# Altium PCB P-MT3620RDB-1-6.PcbDoc (part 3 of 4) (continued)
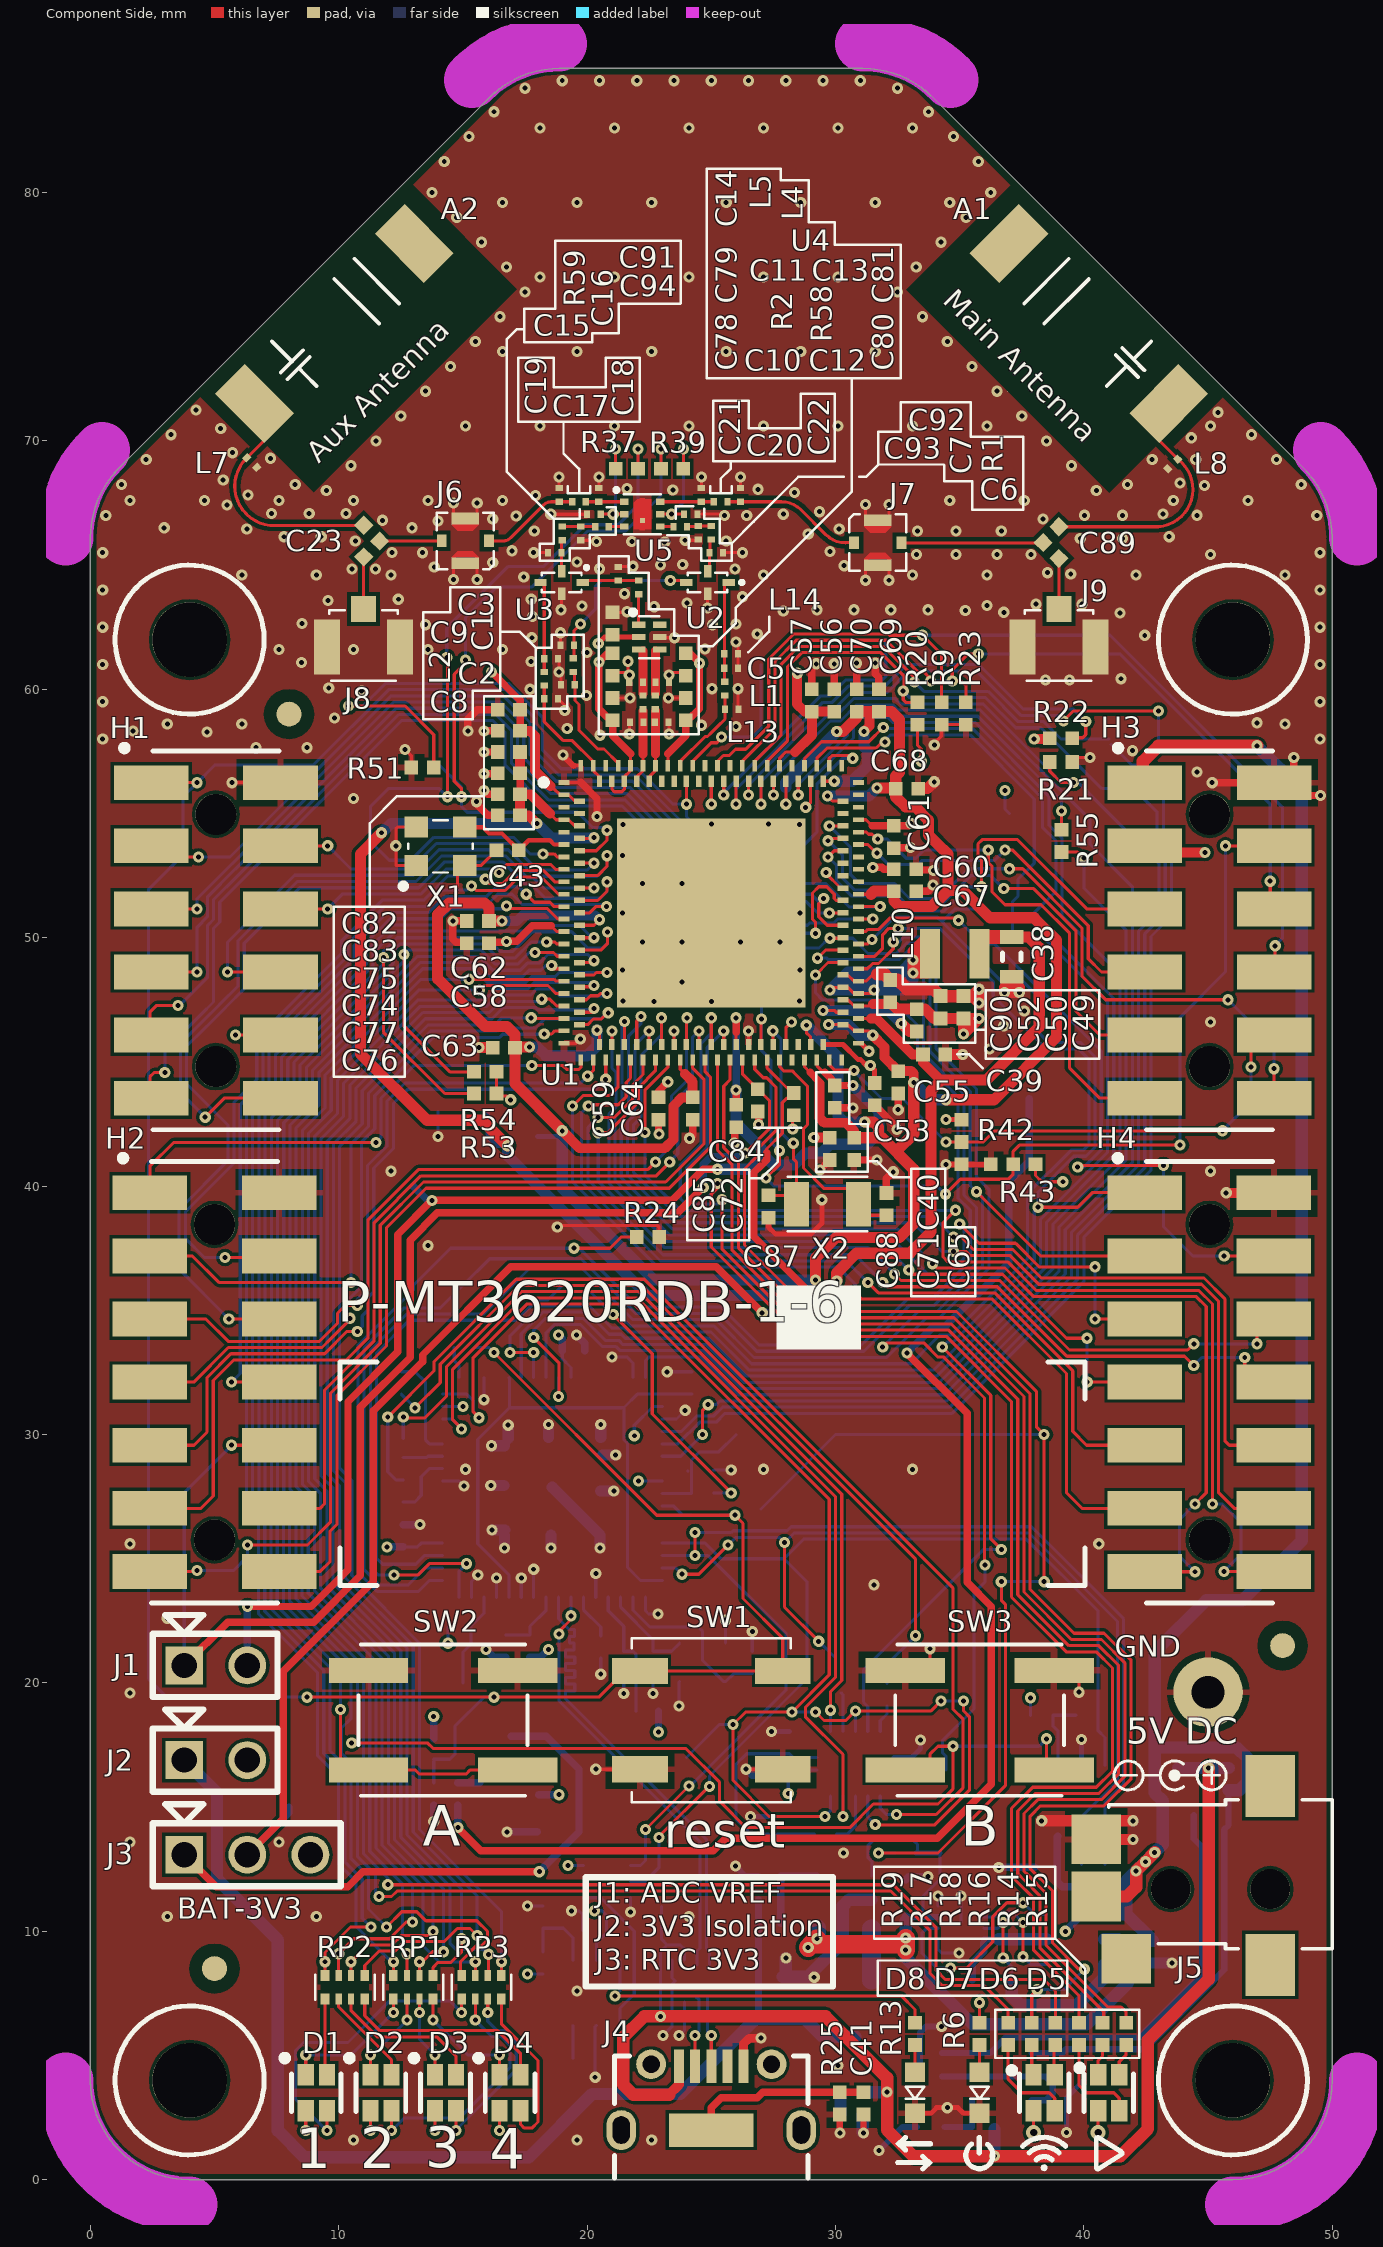
[diagram p0: Component Side view]
## Nets (pads, with @x,y where several pads share a name; then routed paths per layer and width w, separated by ;. In a path a pad name is that pad's centre, name@x,y a point inside that pad or via, vN(x,y) a via of type N, cw(c..) or ccw(c..) an arc to the next point about the centre after c; other vN are vias at no path point) (continued)
  Solder Side w0.125: v1(10.75,34.15) 10.95,34.35 10.95,34.775 11.175,35 11.175,35.51 11.412,35.747 11.412,40.726 12.2,41.513 12.2,43.325 12.775,43.9 20.35,43.9 v1(20.75,44.3)
GPIO31_SCLK1_TXD1: H4.7 U1.46 | length 32.8
  Component Side w0.125: U1.46@21,45.7 v1(21,46.25) ; v1(32.95,36.625) 33.125,36.45 36.723,36.45 39.298,33.875 v1(40.125,33.875) ; v1(40.134,32.109) H4.7@42.45,32.109
  Solder Side w0.125: v1(21,46.25) 21,44.75 21.163,44.587 21.163,43.177 20.875,42.889 20.875,40.128 23.228,37.775 31.8,37.775 v1(32.95,36.625) ; v1(40.125,33.875) 40.125,32.143 v1@40.159,32.109
GPIO32_MOSI1_RTS1_CLK1: H4.11 U1.47 | length 37.9
  Component Side w0.125: v1(19.413,43.221) 19.842,43.65 20.9,43.65 21.25,44 U1.47@21.25,45.075 ; v1@30.8,35.8 v1(30.8,35.7) 31.05,35.45 36.308,35.45 39.3,32.458 39.3,27.65 39.921,27.029 H4.11@42.45,27.029
  Solder Side w0.125: v1(19.413,43.221) 19.413,40.176 22.851,36.738 30.113,36.738 30.8,36.05 v1(30.8,35.7)
GPIO33_MISO1_RXD1_DATA1: H4.5 U1.48 | length 35.2
  Component Side w0.125: U1.48@21.5,45.7 v1(21.5,46.625) ; v1(35,38.475) 35.775,37.7 37.24,37.7 37.265,37.675 37.275,37.675 38.19,36.76 38.19,36.75 v1(40.45,36.75) ; v1(40.449,34.649) H4.5@42.45,34.649
  Solder Side w0.125: v1(21.5,46.625) 21.413,46.538 21.413,44.691 21.413,43.073 21.125,42.786 21.125,40.231 23.331,38.025 32.133,38.025 33.708,36.45 34.525,36.45 35.175,37.1 35.175,38.3 v1(35,38.475) ; v1@34.9,38.525 v1@35,38.525 ; v1(40.45,36.75) 40.45,34.673 v1@40.474,34.649
GPIO34_CSA1_CTS1: H4.9 U1.49 | length 35
  Component Side w0.125: v1(20.05,43.225) 20.1,43.275 21.25,43.275 21.576,43.601 21.576,44.173 21.75,44.346 U1.49@21.75,45.075 ; v1(31.3,36.125) 31.725,35.7 36.412,35.7 39.55,32.562 39.55,30.125 40.106,29.569 H4.9@42.45,29.569
  Solder Side w0.125: v1@20.05,43.275 v1(20.05,43.225) 19.775,42.95 19.775,40.167 22.955,36.988 30.437,36.988 v1(31.3,36.125) v1@31.3,36.1
GPIO35_CSB1: H4.13 U1.50 | length 47.1
  Component Side w0.125: U1.50@22,45.7 22,46.65 v1(22.175,46.825) ; v1(33.9,36.875) 34.075,36.7 36.826,36.7 37.976,35.55 44.525,35.55 44.925,35.15 44.925,27.65 v1(44.475,27.2) ; H4.13@42.45,24.489 42.464,24.475 v1(44.475,24.475)
  Solder Side w0.125: v1(22.175,46.825) 22.175,46.55 21.663,46.038 21.663,42.97 21.375,42.682 21.375,40.335 23.435,38.275 32.5,38.275 v1(33.9,36.875) ; v1(44.475,24.475) 43.85,25.1 43.85,26.575 v1(44.475,27.2)
GPIO36_SCLK2_TXD2: H4.8 U1.51 | length 36.4
  Component Side w0.125: v1(20.438,42.763) 21.091,42.763 21.826,43.498 21.826,44.069 22.25,44.493 U1.51@22.25,45.075 ; v1(31.9,36.125) 32.075,35.95 36.515,35.95 39.315,33.15 44.05,33.15 v1(44.425,32.775) ; H4.8@46.475,32.45 v1(46.475,33.1)
  Solder Side w0.125: v1(20.438,42.763) 20.038,42.362 20.038,40.258 23.058,37.238 30.787,37.238 v1(31.9,36.125) ; v1(44.425,32.775) 44.75,33.1 v1(46.475,33.1)
GPIO37_MOSI2_RTS2_CLK2: H4.12 U1.52 | length 42.8
  Component Side w0.125: U1.52@22.5,45.7 v1(22.5,46.25) ; v1(34.75,37.375) 35.25,37.375 35.425,37.2 37.033,37.2 38.183,36.05 44.421,36.05 44.732,36.05 45.425,35.357 45.425,27.65 46.046,27.029 H4.12@47.65,27.029
  Solder Side w0.125: v1(22.5,46.25) 21.925,45.675 21.925,42.879 21.625,42.579 21.625,40.438 23.538,38.525 33.125,38.525 34.275,37.375 v1(34.75,37.375)
GPIO38_MISO2_RXD2_DATA2: H4.6 U1.53 | length 36.2
  Component Side w0.125: v1(20.45,42.15) 20.832,42.15 22.076,43.394 22.076,43.965 22.75,44.639 U1.53@22.75,45.075 ; v1(32.375,36.463) 32.638,36.2 36.619,36.2 39.419,33.4 44.175,33.4 v1(44.425,33.65) ; v1(46.975,33.65) H4.6@46.975,34.3
  Solder Side w0.125: v1(20.45,42.15) 20.45,40.199 23.124,37.525 31.313,37.525 v1(32.375,36.463) ; v1@44.425,33.775 44.55,33.65 v1(46.975,33.65)
GPIO39_CSA2_CTS2: H4.10 U1.54 | length 41.4
  Component Side w0.125: U1.54@23,45.7 v1(23,46.775) ; v1(34.75,37.95) 35.05,37.95 35.55,37.45 37.137,37.45 38.287,36.3 44.318,36.3 44.836,36.3 45.675,35.461 45.675,29.75 45.856,29.569 H4.10@47.65,29.569
  Solder Side w0.125: v1(23,46.775) 23,46.1 22.175,45.275 22.175,42.775 21.875,42.475 21.875,40.542 23.642,38.775 33.925,38.775 v1(34.75,37.95)
GPIO40_CSB2: H4.14 U1.55 | length 46
  Component Side w0.125: v1@22.375,42.125 22.348,42.152 v1(22.326,42.152) 22.326,43.862 23.25,44.786 U1.55@23.25,45.075 ; v1(34.825,39.025) 34.325,38.525 34.325,37.15 34.525,36.95 36.93,36.95 38.08,35.8 44.525,35.8 44.629,35.8 45.175,35.254 v1(45.175,27.2) ; v1(45.639,24.489) H4.14@47.65,24.489 H4.14@47.436,24.275
  Solder Side w0.125: v1(22.326,42.152) 22.326,40.444 23.745,39.025 33.175,39.025 v1(34.825,39.025) ; v1(45.175,27.2) 45.575,27.2 46.325,26.45 46.325,25.175 v1(45.639,24.489)
GPIO41_ADC0: H2.11 U1.58 | length 39.1
  Component Side w0.125: H2.11@2.4,27.029 4.454,27.029 4.95,27.525 4.95,32.175 5.775,33 10.3,33 11.175,33.875 11.175,38.632 13.205,40.663 22.437,40.663 v1(22.75,40.975) ; U1.58@24,45.7 24,46.75 v1(24.025,46.775)
  Solder Side w0.125: v1(22.75,40.975) 22.912,41.138 22.912,41.146 23.4,41.633 23.4,43.625 24,44.225 24,46.75 v1(24.025,46.775)
GPIO42_ADC1: H2.13 U1.59 | length 39.4
  Component Side w0.125: H2.13@2.4,24.489 4.264,24.489 v1(4.3,24.525) ; v1@6.175,25.551 v1(6.325,25.551) 8.744,25.551 9.675,26.482 9.675,31.668 11.675,33.668 11.675,38.425 13.413,40.163 23.163,40.163 24.713,41.713 24.713,44.287 24.25,44.75 U1.59@24.25,45.075
  Solder Side w0.125: v1(4.3,24.525) 5.775,24.525 6.325,25.075 v1(6.325,25.551) ; v1@6.175,25.551 6.274,25.551 v1@6.325,25.5
GPIO43_ADC2: H2.12 U1.60 | length 33.3
  Component Side w0.125: H2.12@7.6,27.029 9.254,27.029 9.425,27.2 9.425,31.771 11.425,33.771 11.425,38.529 13.309,40.413 22.785,40.413 v1@23.33,40.957 ; U1.60@24.5,45.7 v1(24.5,46.25)
  Solder Side w0.125: v1(23.325,40.975) 23.65,41.3 23.65,43.521 24.25,44.121 24.25,46 v1(24.5,46.25)
GPIO44_ADC3: H2.14 U1.61 | length 34.6
  Component Side w0.125: H2.14@7.6,24.489 9.264,24.489 9.65,24.875 9.65,26.104 9.925,26.379 9.925,31.564 11.925,33.564 11.925,38.321 13.516,39.913 23.313,39.913 24.963,41.563 24.963,44.391 24.75,44.604 U1.61@24.75,45.075
GPIO56_I2S0_TX: H1.5 U1.101 | length 37
  Component Side w0.125: H1.5@2.4,51.16 v1(4.3,51.16) ; v1(29.525,51.575) 29.325,51.375 29.325,50.842 29.667,50.5 U1.101@30.3,50.5
  Solder Side w0.125: v1(4.3,51.16) 4.3,51.575 5.725,53 5.729,53 12.216,59.488 16.523,59.488 17.45,58.561 17.45,57.25 18.65,56.05 21.721,56.05 22.875,54.896 26.446,51.325 27.954,51.325 28.379,51.75 29.025,51.75 29.35,51.425
GPIO57_I2S0_MCLK: H1.9 U1.102 | length 41.6
  Component Side w0.125: H1.9@2.4,46.08 2.4,47 2.675,47.275 v1(3.525,47.275) ; U1.102@30.925,50.75 30.928,50.752 v1(31.502,50.752)
  Solder Side w0.125: v1(3.525,47.275) 3.6,47.275 4.713,48.388 4.713,50.484 4.963,50.734 4.963,51.53 5.932,52.5 5.936,52.5 12.423,58.988 16.316,58.988 16.95,58.354 16.95,57.457 16.95,57.043 18.443,55.55 21.514,55.55 22.375,54.689 26.239,50.825 27.979,50.825 28.304,50.5 28.875,50.5 28.965,50.59 29.372,50.59 29.375,50.588 29.921,50.588 30.086,50.752 v1(31.502,50.752)
GPIO58_I2S0_FS: H1.7 U1.103 | length 38.3
  Component Side w0.125: H1.7@2.4,48.62 v1(4.3,48.62) ; v1(29.75,51) U1.103@30.3,51
  Solder Side w0.125: v1(4.3,48.62) 4.3,50.425 4.713,50.838 4.713,51.634 5.829,52.75 5.832,52.75 12.32,59.238 16.42,59.238 17.2,58.457 17.2,57.354 17.2,57.146 18.546,55.8 21.618,55.8 22.625,54.793 26.343,51.075 28.057,51.075 28.432,51.45 28.825,51.45 29.275,51 v1(29.75,51)
GPIO59_I2S0_RX: H1.3 U1.104 | length 37.8
  Component Side w0.125: H1.3@2.4,53.7 2.85,53.25 v1(4.35,53.25) ; U1.104@30.925,51.25 v1@31.725,51.25
  Solder Side w0.125: v1(4.35,53.25) 5.625,53.25 12.113,59.738 16.627,59.738 17.7,58.664 17.7,57.354 18.754,56.3 21.825,56.3 26.55,51.575 27.85,51.575 28.45,52.175 29.613,52.175 30.55,51.238 v1@31.787,51.238
  other v1: 31.8,51.25
GPIO60_I2S0_BCLK: H1.11 U1.105 | length 44
  Component Side w0.125: H1.11@2.4,43.54 2.4,44.4 2.575,44.575 v1(3,44.575) ; v1(29.201,50.177) 29.201,50.612 29.075,50.738 29.075,51.8 29.325,52.05 29.65,52.05 29.95,51.75 29.95,51.575 30.025,51.5 U1.105@30.3,51.5 U1.105@30.288,51.513
  Solder Side w0.125: v1(3,44.575) 3,45.457 4.443,46.9 4.45,46.9 4.963,47.413 4.963,50.38 5.213,50.63 5.213,51.427 6.036,52.25 6.039,52.25 12.527,58.738 16.212,58.738 16.7,58.25 16.7,57.561 16.7,56.939 18.339,55.3 21.411,55.3 26.136,50.575 27.875,50.575 28.273,50.177 v1(29.201,50.177)
GPIO66_SCLK3_TXD3: H3.5 U1.113 | length 18.3
  Component Side w0.125: v1(29.7,53.25) 29.95,53.5 U1.113@30.3,53.5 ; v1(35.875,52.05) 35.875,53.125 35.737,53.263 35.737,53.779 35.908,53.95 37.325,53.95 40.116,51.159 H3.5@42.457,51.159
  Solder Side w0.125: v1(29.7,53.25) 30.038,52.912 30.038,52.287 30.65,51.675 32.175,51.675 32.775,51.075 34.371,51.075 35.346,52.05 v1(35.875,52.05)
GPIO67_MOSI3_RTS3_CLK3: H3.7 U1.114 | length 15
  Component Side w0.125: U1.114@30.925,53.75 31.304,53.75 31.652,53.403 31.578,53.403 v1@31.575,53.4 ; v1(36.825,53.525) 37.136,53.525 40.175,50.486 40.175,49.15 40.706,48.619 H3.7@42.457,48.619
  Solder Side w0.125: v1(31.677,53.403) 32.129,52.95 33.329,52.95 33.491,53.112 36.412,53.112 v1(36.825,53.525)
GPIO68_MISO3_RXD3_DATA3: H3.9 U1.115 | length 20.1
  Component Side w0.125: v1(29.701,53.903) 29.799,54 U1.115@30.3,54 ; v1@36.75,51.975 v1(36.775,51.975) 37.979,51.975 39.675,50.279 39.675,47.05 40.646,46.079 H3.9@42.457,46.079
  Solder Side w0.125: v1(29.701,53.903) 30.288,53.317 30.288,52.391 30.754,51.925 32.279,51.925 32.879,51.325 34.268,51.325 35.443,52.5 36.25,52.5 v1(36.775,51.975)
GPIO69_CSA3_CTS3: H3.11 U1.116 | length 20.3
  Component Side w0.125: U1.116@30.925,54.25 31.248,54.25 31.335,54.163 31.467,54.163 v1@31.702,53.928 ; v1(36.15,53.525) 36.15,53.025 36.3,52.875 36.3,51.85 36.825,51.325 38.275,51.325 39.425,50.175 39.425,44.75 40.636,43.539 H3.11@42.457,43.539
  Solder Side w0.125: v1(31.702,53.978) 32.072,53.978 32.85,53.2 33.225,53.2 33.55,53.525 v1(36.15,53.525)
GPIO70_CSB3: H3.12 U1.117 | length 27
  Component Side w0.125: v1(29.75,54.5) U1.117@30.3,54.5 ; v1(37,52.775) 37.532,52.775 39.925,50.382 39.925,48.45 40.875,47.5 v1(45.8,47.5) ; v1(47.65,44.725) 47.65,43.546 H3.12@47.657,43.539
  Solder Side w0.125: v1(29.75,54.5) 30.6,53.65 30.6,52.55 30.975,52.175 32.382,52.175 32.982,51.575 34.164,51.575 35.364,52.775 v1(37,52.775) ; v1(45.8,47.5) 47.65,45.65 v1(47.65,44.725)
IO0_RTS: R22.2 U1.140 | length 19.7
  Component Side w0.125: v1(26,55.375) U1.140@26,56.3 ; R22.2@39.625,58.05 39.95,58.05 40.075,58.175 v1(40.075,58.7) v1@40.075,58.775
  Solder Side w0.125: v1(26,55.375) 26,55.986 29.489,59.475 29.868,59.475 30.518,60.125 31.987,60.125 32.852,60.99 35.775,60.99 37.565,59.2 39.575,59.2 v1(40.075,58.7)
IO0_RXD: 39.1 U1.138 | length 21.5
  Component Side w0.125: v1(26.5,55.75) U1.138@26.5,56.3 ; v1(39.175,58.725) 39.575,59.125 v1(43,59.125)
  Solder Side w0.125: v1(26.5,55.75) 26.5,56.132 29.593,59.225 29.971,59.225 30.621,59.875 32.09,59.875 32.956,60.74 35.671,60.74 37.462,58.95 38.021,58.95 38.95,58.95 v1(39.175,58.725) ; 39.1@43,58 v1(43,59.125)
IO0_TXD: H3.6 R23.2 U1.139 | length 34.5
  Component Side w0.125: U1.139@26.25,56.925 26.25,57.1 27.563,58.413 27.563,61.116 28.421,61.975 32.032,61.975 33.307,60.7 33.55,60.7 v1@33.775,60.475 ; R23.2@35.25,59.475 35.25,60.15 35.072,60.328 v1(34.702,60.328) 34.702,60.777 35.35,61.425 v1(35.75,61.425) ; v1(47.5,52.275) 47.5,51.316 H3.6@47.657,51.159
  Solder Side w0.125: v1(33.827,60.328) 34.522,60.328 34.622,60.428 34.702,60.348 v1(34.702,60.328) ; v1(35.75,61.425) 41.45,61.425 47.5,55.375 v1(47.5,52.275)
IO1_RXD: 40.1 U1.142 | length 10.7
  Component Side w0.125: v1(25.5,55.75) U1.142@25.5,56.3
  Solder Side w0.125: v1@25.625,55.75 v1(25.5,55.75) 25.5,55.839 29.386,59.725 29.764,59.725 30.414,60.375 31.883,60.375 32.025,60.517 40.1@32.025,62
IO1_TXD: H3.8 R9.2 U1.143 | length 39.3
  Component Side w0.125: U1.143@25.25,56.925 25.25,57.1 25.487,57.337 25.724,57.337 25.974,57.587 26.384,57.587 27.313,58.516 27.313,61.22 28.318,62.225 32.136,62.225 32.186,62.175 v1(33.5,62.175) 34.275,61.4 R9.2@34.275,59.475 ; H3.8@47.6,48.62 47.7,48.72 v1(47.7,49.675)
  Solder Side w0.125: v1(33.5,62.175) 41.054,62.175 48,55.229 48,50 47.7,49.7 v1(47.7,49.675)
LED1_B: RP3.2 U1.25 | length 60.2
  Component Side w0.125: v1(11.925,10.175) 12.538,10.788 13.146,10.788 13.508,10.425 15.56,10.425 15.988,9.996 15.988,9.655 15.747,9.413 15.538,9.413 14.901,8.775 14.901,8.274 RP3.2@14.95,8.225 ; U1.25@19.7,50 v1@20.2,50
  Solder Side w0.125: v1(11.925,10.175) 11.2,10.9 11.2,12.214 10.5,12.914 10.5,16.421 9.65,17.271 9.65,20.607 7.275,22.982 7.275,26.793 6.788,27.28 6.788,42.965 7.7,43.877 7.7,45.19 11.375,48.865 11.375,49.365 12.272,50.263 17.471,50.263 17.695,50.488 19.713,50.488 v1@20.2,50
  other v1: 20.275,50
LED1_G: RP2.2 U1.22 | length 55.1
  Component Side w0.125: RP2.2@9.45,8.225 v1(9.45,8.775) 9.45,9.15 10.475,10.175 v1(11.3,10.175) ; v1@16.875,51.175 18.4,51.175 18.825,50.75 U1.22@19.075,50.75
  Solder Side w0.125: v1(11.3,10.175) 10.95,10.525 10.95,12.1 10.25,12.8 10.25,16.318 9.4,17.168 9.4,20.503 7.025,22.879 7.025,26.689 6.538,27.176 6.538,43.069 7.45,43.981 7.45,45.294 11.125,48.969 11.125,49.469 12.168,50.513 13.838,50.513 14.49,51.165 16.64,51.165 v1(16.75,51.275)
LED1_R: RP1.2 U1.21 | length 58
  Component Side w0.125: RP1.2@12.2,8.225 v1(12.2,8.775) ; U1.21@19.7,51 20.1,51 20.35,51.25 v1@20.675,51.25 ; v1@20.725,51.3 v1@20.675,51.25 ; v1(20.775,51.25) v1@20.675,51.25
  Solder Side w0.125: v1(12.2,8.775) 12.117,8.775 10.7,10.192 10.7,11.996 10,12.696 10,16.214 9.15,17.064 9.15,20.4 6.775,22.775 6.775,26.586 6.288,27.073 6.288,43.173 7.2,44.085 7.2,45.397 10.875,49.073 10.875,49.573 12.065,50.763 13.734,50.763 14.386,51.415 16.069,51.415 16.404,51.75 16.975,51.75 17.138,51.587 17.138,51.582 17.383,51.338 20.638,51.338 20.725,51.25 v1(20.775,51.25) v1@20.8,51.25
LED2_B: RP3.4 U1.32 | length 51.6
  Component Side w0.125: v1(15.25,48.325) 18.675,48.325 18.75,48.25 U1.32@19.075,48.25 ; RP3.4@15.5,8.225 v1(15.5,8.775)
  Solder Side w0.125: v1(15.25,48.325) 13.311,48.325 9.45,44.464 9.45,43.153 8.538,42.241 8.538,28.005 9.025,27.518 9.025,23.707 11.75,20.982 11.75,13.454 13.388,11.815 13.388,9.428 14.054,8.763 15.488,8.763 v1(15.5,8.775)
LED2_G: RP2.4 U1.31 | length 55.8
  Component Side w0.125: RP2.4@10,8.225 v1(10,9.1) 10.6,9.7 12.043,9.7 12.718,10.375 v1(12.975,10.375) ; U1.31@19.7,48.5 20.275,48.5 20.375,48.6 v1(20.8,48.6)
  Solder Side w0.125: v1(12.975,10.375) 12.975,11.875 11.5,13.35 11.5,20.878 8.775,23.603 8.775,27.414 8.288,27.901 8.288,42.344 9.2,43.256 9.2,44.568 13.382,48.75 15.432,48.75 15.995,48.187 17.517,48.187 17.769,48.44 18.723,48.44 18.883,48.6 v1(20.8,48.6)
LED2_R: RP1.4 U1.30 | length 51.2
  Component Side w0.125: RP1.4@12.75,8.225 v1(12.75,9.1) ; v1@18.525,48.825 18.6,48.75 U1.30@19.075,48.75
  Solder Side w0.125: v1(12.75,9.1) 12.562,9.287 12.562,10.546 12.575,10.558 12.575,10.629 12.575,11.9 11.25,13.225 11.25,20.775 8.525,23.5 8.525,27.311 8.038,27.798 8.038,42.448 8.95,43.36 8.95,44.671 13.279,49 15.536,49 16.098,48.437 17.413,48.437 17.666,48.69 18.143,48.69 18.329,48.875 v1(18.575,48.875)
LED3_B: RP3.6 U1.35 | length 53.3
  Component Side w0.125: RP3.6@16,8.225 16.026,8.251 v1(16.026,9.075) ; U1.35@19.7,47.5 19.975,47.5 20.14,47.665 20.447,47.665 20.532,47.75 v1(20.8,47.75)
  Solder Side w0.125: v1(16.026,9.075) 15.998,9.075 15.798,9.275 14.717,9.275 14.475,9.517 14.475,11.814 12.5,13.789 12.5,21.293 9.775,24.018 9.775,27.839 9.288,28.326 9.288,41.909 10.2,42.821 10.2,44.153 13.284,47.238 15.964,47.238 16.414,47.687 17.724,47.687 17.976,47.94 18.61,47.94 18.9,47.65 20.7,47.65 v1(20.8,47.75)
LED3_G: RP2.6 U1.34 | length 52.2
  Component Side w0.125: RP2.6@10.5,8.225 v1(10.5,8.775) 11.175,9.45 12.146,9.45 12.534,9.838 13.638,9.838 v1(13.801,10.001) ; v1(15.675,47.9) 15.85,48.075 18.425,48.075 18.75,47.75 U1.34@19.075,47.75
  Solder Side w0.125: v1(13.801,10.001) 13.801,11.756 12,13.557 12,21.086 9.275,23.811 9.275,27.621 8.788,28.108 8.788,42.137 9.7,43.049 9.7,44.361 13.239,47.9 v1(15.675,47.9)
LED3_R: RP1.6 U1.33 | length 51.9
  Component Side w0.125: RP1.6@13.25,8.225 v1(13.25,8.775) 13.376,8.775 13.776,9.175 v1(14.225,9.175) ; U1.33@19.7,48 19.727,48.027 20.226,48.027 v1(20.276,48.077)
  Solder Side w0.125: v1(14.225,9.175) 14.225,11.7 12.25,13.675 12.25,21.189 9.525,23.914 9.525,27.725 9.038,28.212 9.038,42.013 9.95,42.925 9.95,44.257 13.181,47.488 15.86,47.488 16.31,47.937 17.62,47.937 17.873,48.19 20.163,48.19 v1(20.276,48.077)
LED4_B: RP3.8 U1.38 | length 48
  Component Side w0.125: RP3.8@16.55,8.225 v1(16.55,8.775) ; v1@17.775,46.75 U1.38@19.075,46.75
  Solder Side w0.125: v1(16.55,8.775) 16.55,10.8 13.25,14.1 13.25,21.603 10.525,24.328 10.525,28.15 10.038,28.637 10.038,41.599 10.95,42.511 10.95,43.843 13.595,46.487 16.274,46.487 16.562,46.775 v1(17.75,46.775)
LED4_G: RP2.8 U1.37 | length 54
  Component Side w0.125: RP2.8@11.05,8.225 11.05,8.625 11.625,9.2 12.25,9.2 12.638,9.588 14.254,9.588 14.779,10.113 15.289,10.113 v1(15.576,9.825) ; U1.37@19.7,47 v1@20.2,47
  Solder Side w0.125: v1(15.576,9.825) 15.576,11.421 13,13.996 13,21.5 10.275,24.225 10.275,28.046 9.788,28.533 9.788,41.702 10.7,42.614 10.7,43.946 13.491,46.738 16.171,46.738 16.621,47.187 17.929,47.187 18.017,47.1 20.225,47.1 v1(20.275,47.15)
LED4_R: RP1.8 U1.36 | length 49.4
  Component Side w0.125: RP1.8@13.8,8.225 13.8,8.55 14,8.75 14.522,8.75 14.95,9.178 v1(14.95,9.7) ; v1(18.175,47.525) 18.5,47.525 18.775,47.25 U1.36@19.075,47.25
  Solder Side w0.125: v1(14.95,9.7) 14.95,11.693 12.75,13.893 12.75,21.396 10.025,24.121 10.025,27.943 9.538,28.43 9.538,41.806 10.45,42.718 10.45,44.05 13.388,46.988 16.067,46.988 16.517,47.437 18.087,47.437 v1(18.175,47.525)
LED5_B: R16.1 U1.64 | length 58.3
  Component Side w0.125: v1@25.225,39.975 25.3,39.975 25,39.675 25,37.55 28.6,33.95 34.458,33.95 37.088,31.321 37.088,23.452 39.289,21.25 40.5,21.25 41.15,20.6 41.15,16.45 40.5,15.8 37.939,15.8 37.088,14.948 37.088,12.213 37.234,12.066 37.975,11.325 37.975,9.235 39.8,7.41 R16.1@39.8,6.325 ; U1.64@25.5,45.7 v1(25.5,46.25)
  Solder Side w0.125: v1@25.3,39.975 25.225,39.975 25.225,39.917 24.833,39.525 24.1,39.525 24,39.625 24,40.739 24.838,41.577 24.838,45.588 v1(25.5,46.25)
  other v1: 25.25,40.1
LED5_G: R15.2 U1.63 | length 54.9
  Component Side w0.125: U1.63@25.25,45.075 25.25,41.446 25.838,40.859 25.838,37.42 28.807,34.45 34.665,34.45 37.588,31.528 37.588,23.659 39.496,21.75 40.707,21.75 41.65,20.807 41.65,16.243 40.707,15.3 38.146,15.3 37.588,14.741 37.588,12.42 37.734,12.273 38.475,11.532 38.475,9.442 40.967,6.95 41.5,6.95 41.7,6.75 R15.2@41.7,6.325
LED5_R: R14.2 U1.62 | length 59.2
  Component Side w0.125: U1.62@25,45.7 U1.62@25,45.7 25,45.702 v1(25,46.775) ; v1(25.425,39.45) 25.425,37.479 28.704,34.2 34.562,34.2 37.338,31.424 37.338,23.555 39.393,21.5 40.604,21.5 41.4,20.704 41.4,16.346 40.604,15.55 38.043,15.55 37.338,14.845 37.338,12.316 37.63,12.023 38.225,11.429 38.225,9.338 40.8,6.763 R14.2@40.8,6.325
  Solder Side w0.125: v1(25,46.775) 25,46.152 25.001,46.151 24.588,45.738 24.588,41.68 23.75,40.843 23.75,39.5 23.975,39.275 25.25,39.275 v1(25.425,39.45)
LED6_B: R19.1 U1.26 | length 78.7
  Component Side w0.125: v1(11.625,11.4) 12.125,11.4 12.351,11.626 32.221,11.626 33.8,10.046 33.8,8.322 34.31,7.813 35.987,7.813 36.95,6.85 R19.1@36.95,6.325 ; v1(18.375,49.825) 18.7,49.825 18.775,49.75 U1.26@19.075,49.75
  Solder Side w0.125: v1(11.625,11.4) 11.475,11.55 11.475,12.293 10.75,13.018 10.75,16.525 10.112,17.163 10.112,18.187 10.5,18.575 10.5,20.464 7.775,23.189 7.775,27 7.288,27.487 7.288,42.758 8.2,43.67 8.2,44.982 12.213,48.994 12.213,49.496 12.467,49.75 15.846,49.75 16.409,49.188 17.103,49.188 17.74,49.825 v1(18.375,49.825)
LED6_G: R18.2 U1.29 | length 80.6
  Component Side w0.125: v1(11.976,11.876) 32.324,11.876 34.05,10.15 34.05,8.426 34.413,8.063 38.387,8.063 38.85,7.6 R18.2@38.85,6.325 ; U1.29@19.7,49 20.125,49 v1@20.2,49.075
  Solder Side w0.125: v1@12.038,11.814 v1(11.976,11.876) 11.976,12.146 11,13.121 11,20.671 8.275,23.396 8.275,27.207 7.788,27.694 7.788,42.551 8.7,43.463 8.7,44.775 13.175,49.25 15.639,49.25 16.202,48.687 17.31,48.687 17.597,48.975 18.075,48.975 18.425,49.325 20.025,49.325 v1(20.275,49.075)
LED6_R: R17.2 U1.65 | length 55.5
  Component Side w0.125: U1.65@25.75,45.075 25.75,44.275 25.5,44.025 25.5,41.55 26.088,40.962 26.088,37.523 28.911,34.7 34.769,34.7 37.838,31.632 37.838,23.762 39.6,22 40.811,22 41.9,20.911 41.9,16.139 40.811,15.05 38.25,15.05 37.838,14.638 37.838,12.523 38.74,11.621 38.74,9.53 39.795,8.475 v1(40.025,8.475) ; R17.2@37.9,6.325 37.9,7.425 v1(38.125,7.65)
  Solder Side w0.125: v1(38.125,7.65) 39.2,7.65 v1(40.025,8.475)
N9_UART_TXD: 4.1 U1.147 | length 6.1
  Component Side w0.125: U1.147@24.25,56.925 24.25,57.1 25,57.85 25.225,57.85 25.408,58.033 v1(25.408,58.075)
  Solder Side w0.125: v1(25.408,58.075) 26.65,58.075 27,58.425 4.1@27,61
NetA1_1: A1.1 C89.3 L8.2 | length 8.7
  Component Side w0.125: C89.3@38.993,66.543 43.004,66.543 ccw(c42.875,68.05) L8.2@43.777,69.264 ; A1.1@43.025,70.025 L8.2@43.781,69.269
NetA2_1: A2.1 C23.2 L7.2 | length 8.6
  Component Side w0.125: L7.2@6.238,69.265 cw(c7.05,68.6) L7.2@6.257,69.287 ; L7.2@6.308,69.342 ccw(c7.05,68.6) 6.299,69.333 ccw(c7.05,68.6) L7.2@6.257,69.287 ; A2.1@6.961,70.075 A2.1@7.05,70.075 ; A2.1@7.061,70.075 L7.2@6.306,69.319 ; C23.2@10.928,66.601 7.23,66.601 cw(c7.4,68.175) L7.2@6.306,69.319 ; L7.2@6.257,69.287 cw(c7.1,68.075) L7.2@6.306,69.319
NetB1_1: B1.1 R63.2 | length 55.2
  Component Side w0.3: v1(14.8,14.175) 15.725,13.25 25.075,13.25 25.575,13.75 34.1,13.75 36.275,15.925 36.275,23.075 35.3,24.05 35.3,30.85 v1(32.875,33.275)
  Solder Side w0.3: v1(14.8,14.175) R63.2@14.8,15.075 ; v1(32.875,33.275) 33.95,34.35 34.425,34.35 36.975,36.9 36.975,40.175 37.8,41 B1.1@37.8,43.525
NetC1_1: C1.1 C2.2 U1.159 | length 4.7
  Component Side w0.125: C1.1@19.45,60.7 19.5,60.65 C2.2@19.5,60.175 19.513,60.163 19.513,59.55 19.675,59.388 19.675,58.35 19.925,58.1 20.429,57.596 20.679,57.596 21.25,57.025 U1.159@21.25,56.925
NetC1_2: C1.2 C3.2 U2.3 | length 7.1
  Component Side w0.125: C1.2@19.475,61.2 19.475,62.363 v1(19.737,62.625) ; v1(23.35,64.375) U2.3@24,64.375
  Solder Side w0.125: v1(19.737,62.625) 20.35,63.238 20.35,64.15 20.575,64.375 v1(23.35,64.375)
NetC5_2: C5.2 L1.2 L14.2 U2.1 | length 4
  Component Side w0.125: L1.2@25.525,60.3 L1.2@25.525,60.325 ; U2.1@25.525,64.275 C5.2@25.525,60.85 L1.2@25.525,60.325 ; L1.2@25.55,60.3 L1.2@25.525,60.325
NetC6_2: C6.2 R1.2 U2.2 | length 1.2
  Component Side w0.125: U2.2@24.85,64.825 24.925,64.9 C6.2@24.925,65.5 ; C6.2@24.95,65.575 R1.2@24.95,66.025
NetC7_2: C7.2 C93.2 R1.1 | length 1
  Component Side w0.125: C93.2@24.025,66.55 24.45,66.55 C7.2@24.475,66.575 R1.1@25,66.575
NetC8_2: C8.2 L2.1 U1.162 U1.163 | length 4.6
  Component Side w0.125: L2.1@18.275,60.15 C8.2@18.275,59.625 18.275,58.7 19.023,57.952 19.027,57.952 19.043,57.935 19.407,57.935 U1.163@20.218,57.125 ; U1.163@20.25,56.725 20.5,56.475 U1.162@20.5,56.3
NetC9_2: C9.2 L2.2 U3.3 | length 4.2
  Component Side w0.125: L2.2@18.275,60.65 U3.3@18.275,64.275 ; L2.2@18.275,60.7 C9.2@18.275,61.225
NetC10_1: C10.1 R2.2 U1.155 U1.156 | length 2.7
  Component Side w0.125: U1.156@22,56.3 22,56.475 U1.155@22.25,56.725 ; U1.155@22.25,56.925 22.25,57.4
  Component Side w0.356: 22.25,57.4 R2.2@22.25,59.125
NetC11_1: C11.1 R2.1 U4.3 | length 1.7
  Component Side w0.356: R2.1@22.25,59.825 C11.1@22.25,60.275 U4.3@22.25,61.55
NetC12_2: C12.2 R58.2 U1.153 U1.154 | length 2.9
  Component Side w0.125: U1.154@22.5,56.3 22.5,56.475 22.75,56.725 22.75,57.4
  Component Side w0.356: 22.75,57.4 R58.2@22.75,59.125
NetC13_2: C13.2 R58.1 U4.4 | length 1.7
  Component Side w0.356: R58.1@22.75,59.825 C13.2@22.75,60.275 U4.4@22.75,61.55
NetC15_2: C15.2 R59.2 U3.2 | length 1.2
  Component Side w0.125: U3.2@18.962,64.825 18.962,65.487 C15.2@18.975,65.5 18.975,65.975 R59.2@19,66
NetC16_2: C16.2 C94.2 R59.1 | length 1.4
  Component Side w0.125: R59.1@19,66.55 C16.2@19.75,66.55 C94.2@20.35,66.55
NetC17_1: C17.1 C18.2 U5.1 | length 1.5
  Component Side w0.125: C17.1@19.95,67.55 C18.2@20.475,67.55 U5.1@21.5,67.55